# KiCad board panel_32x32_1515_r0.1.kicad_pcb (continued)
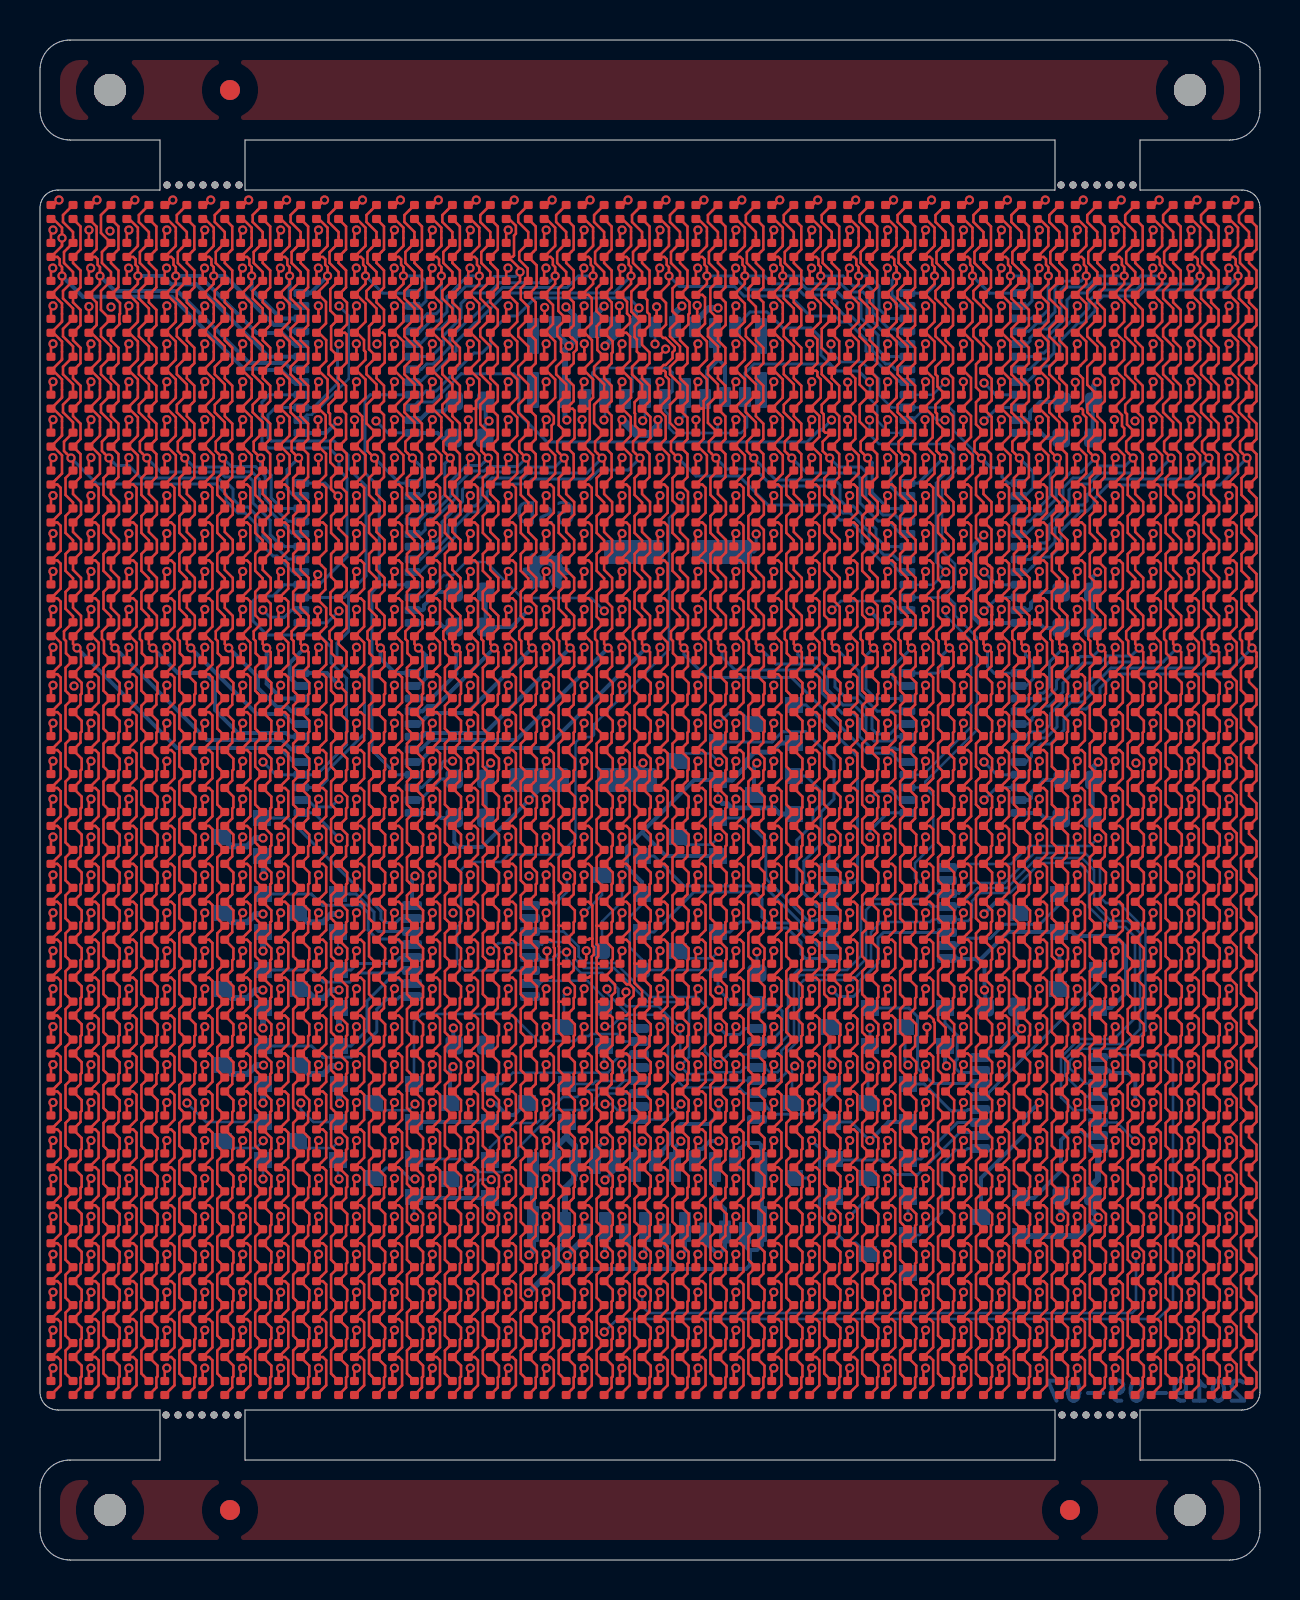
[diagram p0: board, top side]
## Routing (per net, layer and track width the routed paths; a pad name or vN(x,y) marks a point on that pad's centre or on a via; arc(x,y) is an arc through that point) (continued)
  Bottom w0.2: U5.20 18.95,39.9 19.65,40.6 25.3,40.6 v1(30.3,45.6)
COL_GA16: length 83.3
  Top w0.127: D17.3 32.37,66.68 32.37,65.53 D49.3 32,64.85 32.37,64.48 32.37,63.63 D81.3 32.11,63.26 32.48,62.89 32.48,62.33 32.42,62.28 32.42,61.78 D113.3 32,60.99 32.37,60.61 32.37,59.84 D145.3 32,59.09 32.37,58.71 32.37,57.94 D177.3 32,57.5 32.37,57.12 32.37,56.04 D209.3 32.37,55.3 32.37,54.15 D241.3 32.03,53.77 32.4,53.4 32.4,52.28 D273.3 32,51.4 32.4,51 32.4,50.38 D305.3 32,49.51 32.4,49.11 32.4,48.48 D337.3 32,47.61 32.4,47.21 32.4,46.59 D369.3 32,45.8 v1(32.2,45.6) 32.4,45.4 32.4,44.69 D401.3 32.43,43.86 32.43,43.32 32.37,43.26 32.37,42.77 D433.3 32.43,41.96 32.43,41.42 32.37,41.37 32.37,40.87 D465.3 32.43,40.07 32.43,39.53 32.37,39.47 32.37,38.97 D497.3 32.43,38.17 32.43,37.63 32.37,37.57 32.37,37.08 D529.3 32.43,36.27 32.43,35.73 32.37,35.68 32.37,35.18 D561.3 32.43,34.37 32.43,33.84 32.37,33.78 32.37,33.28 D593.3 32.43,32.48 32.43,31.94 32.37,31.88 32.37,31.39 D625.3 32.43,30.58 32.43,30.04 32.37,29.99 32.37,29.49 D657.3 32.43,28.68 32.43,28.15 32.37,28.09 32.37,27.59 D689.3 32.43,26.79 32.43,26.25 32.37,26.19 32.37,25.7 D721.3 32.43,24.89 32.43,24.35 32.37,24.3 32.37,23.8 D753.3 32.43,22.99 32.43,22.46 32.37,22.4 32.37,21.9 D785.3 32.43,21.1 32.43,20.56 32.37,20.5 32.37,20.01 D817.3 32.43,19.2 32.43,18.66 32.37,18.61 32.37,18.11 D849.3 32.43,17.3 32.43,16.77 32.37,16.71 32.37,16.21 D881.3 32.43,15.41 32.43,14.87 32.37,14.81 32.37,14.32 D913.3 32.43,13.51 32.43,12.97 32.37,12.92 32.37,12.42 D945.3 32.43,11.61 32.43,11.08 32.37,11.02 32.37,10.52 D977.3 32.43,9.72 32.43,9.18 32.37,9.12 32.37,8.63 D1009.3
  Bottom w0.15: U6.5 43.32,39.95 42.95,39.95 42.56,40.34 41.36,40.34 37.57,44.13 33.34,44.13 32.2,45.27 v1(32.2,45.6)
COL_GA17: length 81.9
  Top w0.127: D18.3 34.27,66.68 34.27,65.53 D50.3 33.9,64.85 34.27,64.48 34.27,63.63 D82.3 34.28,62.87 34.28,61.75 D114.3 33.9,60.99 34.27,60.61 34.27,59.84 D146.3 33.9,59.09 34.27,58.71 34.27,57.94 D178.3 33.9,57.55 34.27,57.18 34.27,56.04 D210.3 34.27,55.3 34.27,54.15 D242.3 33.9,53.3 34.3,52.9 34.3,52.28 D274.3 33.9,51.4 34.3,51 34.3,50.38 D306.3 33.9,49.51 34.3,49.11 34.3,48.48 D338.3 33.9,47.61 34.3,47.21 34.3,46.59 D370.3 33.9,45.8 v1(34.1,45.6) 34.3,45.4 34.3,44.69 D402.3 34.33,43.86 34.33,43.32 34.27,43.26 34.27,42.77 D434.3 34.33,41.96 34.33,41.42 34.27,41.37 34.27,40.87 D466.3 34.33,40.07 34.33,39.53 34.27,39.47 34.27,38.97 D498.3 34.33,38.17 34.33,37.63 34.27,37.57 34.27,37.08 D530.3 34.33,36.27 34.33,35.73 34.27,35.68 34.27,35.18 D562.3 34.33,34.37 34.33,33.84 34.27,33.78 34.27,33.28 D594.3 34.33,32.48 34.33,31.94 34.27,31.88 34.27,31.39 D626.3 34.33,30.58 34.33,30.04 34.27,29.99 34.27,29.49 D658.3 34.33,28.68 34.33,28.15 34.27,28.09 34.27,27.59 D690.3 34.33,26.79 34.33,26.25 34.27,26.19 34.27,25.7 D722.3 34.33,24.89 34.33,24.35 34.27,24.3 34.27,23.8 D754.3 34.33,22.99 34.33,22.46 34.27,22.4 34.27,21.9 D786.3 34.33,21.1 34.33,20.56 34.27,20.5 34.27,20.01 D818.3 34.33,19.2 34.33,18.66 34.27,18.61 34.27,18.11 D850.3 34.33,17.3 34.33,16.77 34.27,16.71 34.27,16.21 D882.3 34.33,15.41 34.33,14.87 34.27,14.81 34.27,14.32 D914.3 34.33,13.51 34.33,12.97 34.27,12.92 34.27,12.42 D946.3 34.33,11.61 34.33,11.08 34.27,11.02 34.27,10.52 D978.3 34.33,9.72 34.33,9.18 34.27,9.12 34.27,8.63 D1010.3
  Bottom w0.15: U6.6 42.82,40.53 42.75,40.6 41.55,40.6 40.97,41.17 40.97,42.03 40.65,42.35 40.1,42.35 39.1,43.35 39.1,43.95 38.55,44.5 34.75,44.5 34.1,45.15 v1(34.1,45.6)
COL_GA18: length 79.6
  Top w0.127: D19.3 36.17,66.68 36.17,65.53 D51.3 35.79,64.85 36.17,64.48 36.17,63.63 D83.3 36.17,62.88 36.17,61.73 D115.3 35.79,60.99 36.17,60.61 36.17,59.84 D147.3 35.79,59.09 36.17,58.71 36.17,57.94 D179.3 35.79,57.19 36.17,56.82 36.17,56.04 D211.3 36.17,55.3 36.17,54.15 D243.3 35.79,53.3 36.19,52.9 36.19,52.28 D275.3 35.82,51.88 36.19,51.51 36.19,50.38 D307.3 35.79,49.51 36.19,49.11 36.19,48.48 D339.3 35.79,47.61 36.19,47.21 36.19,46.59 D371.3 35.79,45.8 v1(35.99,45.6) 36.19,45.4 36.19,44.69 D403.3 36.22,43.86 36.22,43.32 36.17,43.26 36.17,42.77 D435.3 36.22,41.96 36.22,41.42 36.17,41.37 36.17,40.87 D467.3 36.22,40.07 36.22,39.53 36.17,39.47 36.17,38.97 D499.3 36.22,38.17 36.22,37.63 36.17,37.57 36.17,37.08 D531.3 36.22,36.27 36.22,35.73 36.17,35.68 36.17,35.18 D563.3 36.22,34.37 36.22,33.84 36.17,33.78 36.17,33.28 D595.3 36.22,32.48 36.22,31.94 36.17,31.88 36.17,31.39 D627.3 36.22,30.58 36.22,30.04 36.17,29.99 36.17,29.49 D659.3 36.22,28.68 36.22,28.15 36.17,28.09 36.17,27.59 D691.3 36.22,26.79 36.22,26.25 36.17,26.19 36.17,25.7 D723.3 36.22,24.89 36.22,24.35 36.17,24.3 36.17,23.8 D755.3 36.22,22.99 36.22,22.46 36.17,22.4 36.17,21.9 D787.3 36.22,21.1 36.22,20.56 36.17,20.5 36.17,20.01 D819.3 36.22,19.2 36.22,18.66 36.17,18.61 36.17,18.11 D851.3 36.22,17.3 36.22,16.77 36.17,16.71 36.17,16.21 D883.3 36.22,15.41 36.22,14.87 36.17,14.81 36.17,14.32 D915.3 36.22,13.51 36.22,12.97 36.17,12.92 36.17,12.42 D947.3 36.22,11.61 36.22,11.08 36.17,11.02 36.17,10.52 D979.3 36.22,9.72 36.22,9.18 36.17,9.12 36.17,8.63 D1011.3
  Bottom w0.15: U6.7 42.87,41.17 42.65,40.95 41.7,40.95 41.3,41.35 41.3,42.15 40.7,42.75 40.15,42.75 39.38,43.53 39.38,44.08 38.65,44.8 36.79,44.8 v1(35.99,45.6)
COL_GA19: length 77.8
  Top w0.127: D20.3 38.06,66.68 38.06,65.53 D52.3 37.69,64.85 38.06,64.48 38.06,63.63 D84.3 37.69,62.88 38.06,62.51 38.06,61.73 D116.3 37.69,60.99 38.06,60.61 38.06,59.84 D148.3 37.69,59.09 38.06,58.71 38.06,57.94 D180.3 37.69,57.19 38.06,56.82 38.06,56.04 D212.3 38.06,55.3 38.06,54.15 D244.3 37.69,53.3 38.09,52.9 38.09,52.28 D276.3 37.69,51.4 38.09,51 38.09,50.38 D308.3 37.69,49.51 38.09,49.11 38.09,48.48 D340.3 37.69,47.61 38.09,47.21 38.09,46.59 D372.3 37.69,45.8 v1(37.89,45.6) 38.09,45.4 38.09,44.69 D404.3 38.12,43.86 38.12,43.32 38.06,43.26 38.06,42.77 D436.3 38.12,41.96 38.12,41.42 38.06,41.37 38.06,40.87 D468.3 38.12,40.07 38.12,39.53 38.06,39.47 38.06,38.97 D500.3 38.12,38.17 38.12,37.63 38.06,37.57 38.06,37.08 D532.3 38.12,36.27 38.12,35.73 38.06,35.68 38.06,35.18 D564.3 38.12,34.37 38.12,33.84 38.06,33.78 38.06,33.28 D596.3 38.12,32.48 38.12,31.94 38.06,31.88 38.06,31.39 D628.3 38.12,30.58 38.12,30.04 38.06,29.99 38.06,29.49 D660.3 38.12,28.68 38.12,28.15 38.06,28.09 38.06,27.59 D692.3 38.12,26.79 38.12,26.25 38.06,26.19 38.06,25.7 D724.3 38.12,24.89 38.12,24.35 38.06,24.3 38.06,23.8 D756.3 38.12,22.99 38.12,22.46 38.06,22.4 38.06,21.9 D788.3 38.12,21.1 38.12,20.56 38.06,20.5 38.06,20.01 D820.3 38.12,19.2 38.12,18.66 38.06,18.61 38.06,18.11 D852.3 38.12,17.3 38.12,16.77 38.06,16.71 38.06,16.21 D884.3 38.12,15.41 38.12,14.87 38.06,14.81 38.06,14.32 D916.3 38.12,13.51 38.12,12.97 38.06,12.92 38.06,12.42 D948.3 38.12,11.61 38.12,11.08 38.06,11.02 38.06,10.52 D980.3 38.12,9.72 38.12,9.18 38.06,9.12 38.06,8.63 D1012.3
  Bottom w0.15: U6.8 43.32,41.75 42.95,41.75 42.5,41.3 41.85,41.3 41.6,41.55 41.6,42.3 40.8,43.1 40.3,43.1 39.75,43.65 39.75,44.2 38.85,45.1 38.06,45.1 37.89,45.27 v1(37.89,45.6)
COL_GA20: length 74.9
  Top w0.127: D1013.3 39.96,8.63 39.96,9.12 40.02,9.18 40.02,9.72 D981.3 39.96,10.52 39.96,11.02 40.02,11.08 40.02,11.61 D949.3 39.96,12.42 39.96,12.92 40.02,12.97 40.02,13.51 D917.3 39.96,14.32 39.96,14.81 40.02,14.87 40.02,15.41 D885.3 39.96,16.21 39.96,16.71 40.02,16.77 40.02,17.3 D853.3 39.96,18.11 39.96,18.61 40.02,18.66 40.02,19.2 D821.3 39.96,20.01 39.96,20.5 40.02,20.56 40.02,21.1 D789.3 39.96,21.9 39.96,22.4 40.02,22.46 40.02,22.99 D757.3 39.96,23.8 39.96,24.3 40.02,24.35 40.02,24.89 D725.3 39.96,25.7 39.96,26.19 40.02,26.25 40.02,26.79 D693.3 39.96,27.59 39.96,28.09 40.02,28.15 40.02,28.68 D661.3 39.96,29.49 39.96,29.99 40.02,30.04 40.02,30.58 D629.3 39.96,31.39 39.96,31.88 40.02,31.94 40.02,32.48 D597.3 39.96,33.28 39.96,33.78 40.02,33.84 40.02,34.37 D565.3 39.96,35.18 39.96,35.68 40.02,35.73 40.02,36.27 D533.3 39.96,37.08 39.96,37.57 40.02,37.63 40.02,38.17 D501.3 39.96,38.97 39.96,39.47 40.02,39.53 40.02,40.07 D469.3 39.96,40.87 39.96,41.37 40.02,41.42 40.02,41.96 D437.3 39.96,42.77 39.96,43.26 40.02,43.32 40.02,43.86 D405.3 39.99,44.69 39.99,45.4 v1(39.79,45.6) 39.59,45.8 D373.3 39.99,46.59 39.99,47.66 39.59,48.06 D341.3 39.99,48.48 39.99,49.11 39.59,49.51 D309.3 39.99,50.38 39.99,51 39.59,51.4 D277.3 39.99,52.28 39.99,52.9 39.59,53.3 D245.3 39.96,54.15 39.96,55.3 D213.3 39.96,56.04 39.96,57.19 D181.3 39.96,57.94 39.96,58.71 39.59,59.09 D149.3 39.96,59.84 39.96,60.94 39.59,61.31 D117.3 39.96,61.73 39.96,62.51 39.59,62.88 D85.3 39.96,63.63 39.96,64.48 39.59,64.85 D53.3 39.96,65.53 39.96,66.68 D21.3
  Bottom w0.15: v1(39.79,45.6) 40.95,44.44 40.95,43.35 41.86,42.44 U6.9
COL_GA21: length 73.9
  Top w0.127: D1014.3 41.86,8.63 41.86,9.12 41.91,9.18 41.91,9.72 D982.3 41.86,10.52 41.86,11.02 41.91,11.08 41.91,11.61 D950.3 41.86,12.42 41.86,12.92 41.91,12.97 41.91,13.51 D918.3 41.86,14.32 41.86,14.81 41.91,14.87 41.91,15.41 D886.3 41.86,16.21 41.86,16.71 41.91,16.77 41.91,17.3 D854.3 41.86,18.11 41.86,18.61 41.91,18.66 41.91,19.2 D822.3 41.86,20.01 41.86,20.5 41.91,20.56 41.91,21.1 D790.3 41.86,21.9 41.86,22.4 41.91,22.46 41.91,22.99 D758.3 41.86,23.8 41.86,24.3 41.91,24.35 41.91,24.89 D726.3 41.86,25.7 41.86,26.19 41.91,26.25 41.91,26.79 D694.3 41.86,27.59 41.86,28.09 41.91,28.15 41.91,28.68 D662.3 41.86,29.49 41.86,29.99 41.91,30.04 41.91,30.58 D630.3 41.86,31.39 41.86,31.88 41.91,31.94 41.91,32.48 D598.3 41.86,33.28 41.86,33.78 41.91,33.84 41.91,34.37 D566.3 41.86,35.18 41.86,35.68 41.91,35.73 41.91,36.27 D534.3 41.86,37.08 41.86,37.57 41.91,37.63 41.91,38.17 D502.3 41.86,38.97 41.86,39.47 41.91,39.53 41.91,40.07 D470.3 41.86,40.87 41.86,41.37 41.91,41.42 41.91,41.96 D438.3 41.86,42.77 41.86,43.26 41.91,43.32 41.91,43.86 D406.3 41.88,44.69 41.88,45.4 v1(41.68,45.6) 41.48,45.8 D374.3 41.88,46.59 41.88,47.72 41.52,48.08 D342.3 41.88,48.48 41.88,49.11 41.48,49.51 D310.3 41.88,50.38 41.88,51 41.48,51.4 D278.3 41.88,52.28 41.88,52.9 41.48,53.3 D246.3 41.86,54.15 41.86,55.3 D214.3 41.86,56.04 41.86,57.24 41.53,57.57 D182.3 41.86,57.94 41.86,59.09 41.49,59.46 D150.3 41.86,59.84 41.86,60.61 41.48,60.99 D118.3 41.86,61.73 41.86,62.51 41.48,62.88 D86.3 41.86,63.63 41.86,64.48 41.48,64.85 D54.3 41.86,65.53 41.86,66.68 D22.3
  Bottom w0.15: U6.10 41.78,43.07 41.3,43.55 41.3,45.22 v1(41.68,45.6)
COL_GA22: length 72.2
  Top w0.127: D23.3 43.75,66.68 43.75,65.53 D55.3 43.38,64.85 43.75,64.48 43.75,63.63 D87.3 43.38,62.88 43.75,62.51 43.75,61.73 D119.3 43.38,60.99 43.75,60.61 43.75,59.84 D151.3 43.38,59.09 43.75,58.71 43.75,57.94 D183.3 43.38,57.19 43.75,56.82 43.75,56.04 D215.3 43.75,55.3 43.75,54.15 D247.3 43.38,53.3 43.78,52.9 43.78,52.28 D279.3 43.38,51.4 43.78,51 43.78,50.38 D311.3 43.38,49.51 43.78,49.11 43.78,48.48 D343.3 43.38,47.61 43.78,47.21 43.78,46.59 D375.3 43.38,45.8 v1(43.58,45.6) 43.78,45.4 43.78,44.69 D407.3 43.81,43.86 43.81,43.32 43.75,43.26 43.75,42.77 D439.3 43.81,41.96 43.81,41.42 43.75,41.37 43.75,40.87 D471.3 43.81,40.07 43.81,39.53 43.75,39.47 43.75,38.97 D503.3 43.81,38.17 43.81,37.63 43.75,37.57 43.75,37.08 D535.3 43.81,36.27 43.81,35.73 43.75,35.68 43.75,35.18 D567.3 43.81,34.37 43.81,33.84 43.75,33.78 43.75,33.28 D599.3 43.81,32.48 43.81,31.94 43.75,31.88 43.75,31.39 D631.3 43.81,30.58 43.81,30.04 43.75,29.99 43.75,29.49 D663.3 43.81,28.68 43.81,28.15 43.75,28.09 43.75,27.59 D695.3 43.81,26.79 43.81,26.25 43.75,26.19 43.75,25.7 D727.3 43.81,24.89 43.81,24.35 43.75,24.3 43.75,23.8 D759.3 43.81,22.99 43.81,22.46 43.75,22.4 43.75,21.9 D791.3 43.81,21.1 43.81,20.56 43.75,20.5 43.75,20.01 D823.3 43.81,19.2 43.81,18.66 43.75,18.61 43.75,18.11 D855.3 43.81,17.3 43.81,16.77 43.75,16.71 43.75,16.21 D887.3 43.81,15.41 43.81,14.87 43.75,14.81 43.75,14.32 D919.3 43.81,13.51 43.81,12.97 43.75,12.92 43.75,12.42 D951.3 43.81,11.61 43.81,11.08 43.75,11.02 43.75,10.52 D983.3 43.81,9.72 43.81,9.18 43.75,9.12 43.75,8.63 D1015.3
  Bottom w0.15: U6.11 43.33,43.75 43,43.75 42.65,44.1 42.65,44.67 v1(43.58,45.6)
COL_GA23: length 72.4
  Top w0.127: D1016.3 45.65,8.63 45.65,9.12 45.71,9.18 45.71,9.72 D984.3 45.65,10.52 45.65,11.02 45.71,11.08 45.71,11.61 D952.3 45.65,12.42 45.65,12.92 45.71,12.97 45.71,13.51 D920.3 45.65,14.32 45.65,14.81 45.71,14.87 45.71,15.41 D888.3 45.65,16.21 45.65,16.71 45.71,16.77 45.71,17.3 D856.3 45.65,18.11 45.65,18.61 45.71,18.66 45.71,19.2 D824.3 45.65,20.01 45.65,20.5 45.71,20.56 45.71,21.1 D792.3 45.65,21.9 45.65,22.4 45.71,22.46 45.71,22.99 D760.3 45.65,23.8 45.65,24.3 45.71,24.35 45.71,24.89 D728.3 45.65,25.7 45.65,26.19 45.71,26.25 45.71,26.79 D696.3 45.65,27.59 45.65,28.09 45.71,28.15 45.71,28.68 D664.3 45.65,29.49 45.65,29.99 45.71,30.04 45.71,30.58 D632.3 45.65,31.39 45.65,31.88 45.71,31.94 45.71,32.48 D600.3 45.65,33.28 45.65,33.78 45.71,33.84 45.71,34.37 D568.3 45.65,35.18 45.65,35.68 45.71,35.73 45.71,36.27 D536.3 45.65,37.08 45.65,37.57 45.71,37.63 45.71,38.17 D504.3 45.65,38.97 45.65,39.47 45.71,39.53 45.71,40.07 D472.3 45.65,40.87 45.65,41.37 45.71,41.42 45.71,41.96 D440.3 45.65,42.77 45.65,43.26 45.71,43.32 45.71,43.86 D408.3 45.68,44.69 45.68,45.4 v1(45.48,45.6) 45.28,45.8 D376.3 45.68,46.59 45.68,47.67 45.28,48.07 D344.3 45.68,48.48 45.68,49.57 45.28,49.97 D312.3 45.68,50.38 45.68,51 45.28,51.4 D280.3 45.68,52.28 45.68,52.9 45.28,53.3 D248.3 45.65,54.15 45.65,55.3 D216.3 45.65,56.04 45.65,57.2 45.28,57.57 D184.3 45.65,57.94 45.65,59.1 45.29,59.46 D152.3 45.65,59.84 45.65,60.61 45.28,60.99 D120.3 45.65,61.73 45.65,62.51 45.28,62.88 D88.3 45.65,63.63 45.65,64.48 45.28,64.85 D56.3 45.65,65.53 45.65,66.68 D24.3
  Bottom w0.15: U6.12 44.89,44.34 45.11,44.56 45.11,45.24 v1(45.48,45.6)
COL_GA24: length 72.2
  Top w0.127: D25.3 47.55,66.68 47.55,65.53 D57.3 47.17,64.85 47.55,64.48 47.55,63.63 D89.3 47.17,62.88 47.55,62.51 47.55,61.73 D121.3 47.17,60.99 47.55,60.61 47.55,59.84 D153.3 47.58,59.06 47.58,57.98 D185.3 47.58,57.16 47.58,56.08 D217.3 47.55,55.3 47.55,54.15 D249.3 47.17,53.3 47.57,52.9 47.57,52.28 D281.3 47.22,51.88 47.57,51.53 47.57,50.38 D313.3 ; D377.3 47.17,45.8 v1(47.37,45.6) 47.57,45.4 47.57,44.69 D409.3 47.6,43.86 47.6,43.32 47.55,43.26 47.55,42.77 D441.3 47.6,41.96 47.6,41.42 47.55,41.37 47.55,40.87 D473.3 47.6,40.07 47.6,39.53 47.55,39.47 47.55,38.97 D505.3 47.6,38.17 47.6,37.63 47.55,37.57 47.55,37.08 D537.3 47.6,36.27 47.6,35.73 47.55,35.68 47.55,35.18 D569.3 47.6,34.37 47.6,33.84 47.55,33.78 47.55,33.28 D601.3 47.6,32.48 47.6,31.94 47.55,31.88 47.55,31.39 D633.3 47.6,30.58 47.6,30.04 47.55,29.99 47.55,29.49 D665.3 47.6,28.68 47.6,28.15 47.55,28.09 47.55,27.59 D697.3 47.6,26.79 47.6,26.25 47.55,26.19 47.55,25.7 D729.3 47.6,24.89 47.6,24.35 47.55,24.3 47.55,23.8 D761.3 47.6,22.99 47.6,22.46 47.55,22.4 47.55,21.9 D793.3 47.6,21.1 47.6,20.56 47.55,20.5 47.55,20.01 D825.3 47.6,19.2 47.6,18.66 47.55,18.61 47.55,18.11 D857.3 47.6,17.3 47.6,16.77 47.55,16.71 47.55,16.21 D889.3 47.6,15.41 47.6,14.87 47.55,14.81 47.55,14.32 D921.3 47.6,13.51 47.6,12.97 47.55,12.92 47.55,12.42 D953.3 47.6,11.61 47.6,11.08 47.55,11.02 47.55,10.52 D985.3 47.6,9.72 47.6,9.18 47.55,9.12 47.55,8.63 D1017.3
  Top w0.15: D377.3 47.58,46.6 47.58,47.25 47.59,47.26 47.59,47.66 D345.3 47.56,48.47 47.56,48.96 47.59,48.99 47.59,49.59 47.46,49.72 47.43,49.72 D313.3
  Bottom w0.15: U6.13 47.71,44.34 47.37,44.68 v1(47.37,45.6)
COL_GA25: length 72
  Top w0.127: D26.3 49.44,66.68 49.44,65.53 D58.3 49.07,64.85 49.44,64.48 49.44,63.63 D90.3 49.07,62.88 49.44,62.51 49.44,61.73 D122.3 49.07,60.99 49.44,60.61 49.44,59.84 D154.3 49.07,59.09 49.44,58.71 49.44,57.94 D186.3 49.07,57.19 49.44,56.82 49.44,56.04 D218.3 49.44,55.3 49.44,54.15 D250.3 49.07,53.3 49.47,52.9 49.47,52.28 D282.3 49.07,51.4 49.47,51 49.47,50.38 D314.3 49.07,49.51 49.47,49.11 49.47,48.48 D346.3 49.07,47.61 49.47,47.21 49.47,46.59 D378.3 49.07,45.8 v1(49.27,45.6) 49.47,45.4 49.47,44.69 D410.3 49.5,43.86 49.5,43.32 49.44,43.26 49.44,42.77 D442.3 49.5,41.96 49.5,41.42 49.44,41.37 49.44,40.87 D474.3 49.5,40.07 49.5,39.53 49.44,39.47 49.44,38.97 D506.3 49.5,38.17 49.5,37.63 49.44,37.57 49.44,37.08 D538.3 49.5,36.27 49.5,35.73 49.44,35.68 49.44,35.18 D570.3 49.5,34.37 49.5,33.84 49.44,33.78 49.44,33.28 D602.3 49.5,32.48 49.5,31.94 49.44,31.88 49.44,31.39 D634.3 49.5,30.58 49.5,30.04 49.44,29.99 49.44,29.49 D666.3 49.5,28.68 49.5,28.15 49.44,28.09 49.44,27.59 D698.3 49.5,26.79 49.5,26.25 49.44,26.19 49.44,25.7 D730.3 49.5,24.89 49.5,24.35 49.44,24.3 49.44,23.8 D762.3 49.5,22.99 49.5,22.46 49.44,22.4 49.44,21.9 D794.3 49.5,21.1 49.5,20.56 49.44,20.5 49.44,20.01 D826.3 49.5,19.2 49.5,18.66 49.44,18.61 49.44,18.11 D858.3 49.5,17.3 49.5,16.77 49.44,16.71 49.44,16.21 D890.3 49.5,15.41 49.5,14.87 49.44,14.81 49.44,14.32 D922.3 49.5,13.51 49.5,12.97 49.44,12.92 49.44,12.42 D954.3 49.5,11.61 49.5,11.08 49.44,11.02 49.44,10.52 D986.3 49.5,9.72 49.5,9.18 49.44,9.12 49.44,8.63 D1018.3
  Bottom w0.15: U6.14 49.31,43.71 49.65,44.05 49.65,44.89 49.27,45.27 v1(49.27,45.6)
COL_GA26: length 73.4
  Top w0.127: D27.3 51.34,66.68 51.34,65.53 D59.3 50.97,64.85 51.34,64.48 51.34,63.63 D91.3 50.97,62.88 51.34,62.51 51.34,61.73 D123.3 50.97,60.99 51.34,60.61 51.34,59.84 D155.3 50.97,59.09 51.34,58.71 51.34,57.94 D187.3 50.97,57.19 51.34,56.82 51.34,56.04 D219.3 51.34,55.3 51.34,54.15 D251.3 50.97,53.3 51.37,52.9 51.37,52.28 D283.3 50.97,51.4 51.37,51 51.37,50.38 D315.3 50.97,49.51 51.37,49.11 51.37,48.48 D347.3 50.97,47.61 51.37,47.21 51.37,46.59 D379.3 50.97,45.8 v1(51.17,45.6) 51.37,45.4 51.37,44.69 D411.3 51.4,43.86 51.4,43.32 51.34,43.26 51.34,42.77 D443.3 51.4,41.96 51.4,41.42 51.34,41.37 51.34,40.87 D475.3 51.4,40.07 51.4,39.53 51.34,39.47 51.34,38.97 D507.3 51.4,38.17 51.4,37.63 51.34,37.57 51.34,37.08 D539.3 51.4,36.27 51.4,35.73 51.34,35.68 51.34,35.18 D571.3 51.4,34.37 51.4,33.84 51.34,33.78 51.34,33.28 D603.3 51.4,32.48 51.4,31.94 51.34,31.88 51.34,31.39 D635.3 51.4,30.58 51.4,30.04 51.34,29.99 51.34,29.49 D667.3 51.4,28.68 51.4,28.15 51.34,28.09 51.34,27.59 D699.3 51.4,26.79 51.4,26.25 51.34,26.19 51.34,25.7 D731.3 51.4,24.89 51.4,24.35 51.34,24.3 51.34,23.8 D763.3 51.4,22.99 51.4,22.46 51.34,22.4 51.34,21.9 D795.3 51.4,21.1 51.4,20.56 51.34,20.5 51.34,20.01 D827.3 51.4,19.2 51.4,18.66 51.34,18.61 51.34,18.11 D859.3 51.4,17.3 51.4,16.77 51.34,16.71 51.34,16.21 D891.3 51.4,15.41 51.4,14.87 51.34,14.81 51.34,14.32 D923.3 51.4,13.51 51.4,12.97 51.34,12.92 51.34,12.42 D955.3 51.4,11.61 51.4,11.08 51.34,11.02 51.34,10.52 D987.3 51.4,9.72 51.4,9.18 51.34,9.12 51.34,8.63 D1019.3
  Bottom w0.15: v1(51.17,45.6) 50.48,44.91 50.48,43.67 50.15,43.34 49.89,43.34 49.62,43.07 U6.15
COL_GA27: length 75.1
  Top w0.127: D1020.3 53.24,8.63 53.24,9.12 53.3,9.18 53.3,9.72 D988.3 53.24,10.52 53.24,11.02 53.3,11.08 53.3,11.61 D956.3 53.24,12.42 53.24,12.92 53.3,12.97 53.3,13.51 D924.3 53.24,14.32 53.24,14.81 53.3,14.87 53.3,15.41 D892.3 53.24,16.21 53.24,16.71 53.3,16.77 53.3,17.3 D860.3 53.24,18.11 53.24,18.61 53.3,18.66 53.3,19.2 D828.3 53.24,20.01 53.24,20.5 53.3,20.56 53.3,21.1 D796.3 53.24,21.9 53.24,22.4 53.3,22.46 53.3,22.99 D764.3 53.24,23.8 53.24,24.3 53.3,24.35 53.3,24.89 D732.3 53.24,25.7 53.24,26.19 53.3,26.25 53.3,26.79 D700.3 53.24,27.59 53.24,28.09 53.3,28.15 53.3,28.68 D668.3 53.24,29.49 53.24,29.99 53.3,30.04 53.3,30.58 D636.3 53.24,31.39 53.24,31.88 53.3,31.94 53.3,32.48 D604.3 53.24,33.28 53.24,33.78 53.3,33.84 53.3,34.37 D572.3 53.24,35.18 53.24,35.68 53.3,35.73 53.3,36.27 D540.3 53.24,37.08 53.24,37.57 53.3,37.63 53.3,38.17 D508.3 53.24,38.97 53.24,39.47 53.3,39.53 53.3,40.07 D476.3 53.24,40.87 53.24,41.37 53.3,41.42 53.3,41.96 D444.3 53.24,42.77 53.24,43.26 53.3,43.32 53.3,43.86 D412.3 53.26,44.69 53.26,45.4 v1(53.06,45.6) 52.86,45.8 D380.3 53.26,46.59 53.26,47.21 52.86,47.61 D348.3 53.26,48.48 53.26,49.58 D316.3 53.26,50.38 53.26,51 52.86,51.4 D284.3 53.26,52.28 53.26,52.9 52.86,53.3 D252.3 53.24,54.15 53.24,55.3 D220.3 53.24,56.04 53.24,56.82 52.86,57.19 D188.3 53.24,57.94 53.24,59.11 52.89,59.46 D156.3 53.24,59.84 53.24,60.61 52.86,60.99 D124.3 53.24,61.73 53.24,62.51 52.86,62.88 D92.3 53.24,63.63 53.24,64.48 52.86,64.85 D60.3 53.24,65.53 53.24,66.68 D28.3
  Bottom w0.15: v1(53.06,45.6) 52.63,45.17 52.02,45.17 50.82,43.97 50.82,43.58 50.3,43.05 50.05,43.05 49.44,42.44 U6.16
COL_GA28: length 77.3
  Top w0.127: D1021.3 55.13,8.63 55.13,9.12 55.19,9.18 55.19,9.72 D989.3 55.13,10.52 55.13,11.02 55.19,11.08 55.19,11.61 D957.3 55.13,12.42 55.13,12.92 55.19,12.97 55.19,13.51 D925.3 55.13,14.32 55.13,14.81 55.19,14.87 55.19,15.41 D893.3 55.13,16.21 55.13,16.71 55.19,16.77 55.19,17.3 D861.3 55.13,18.11 55.13,18.61 55.19,18.66 55.19,19.2 D829.3 55.13,20.01 55.13,20.5 55.19,20.56 55.19,21.1 D797.3 55.13,21.9 55.13,22.4 55.19,22.46 55.19,22.99 D765.3 55.13,23.8 55.13,24.3 55.19,24.35 55.19,24.89 D733.3 55.13,25.7 55.13,26.19 55.19,26.25 55.19,26.79 D701.3 55.13,27.59 55.13,28.09 55.19,28.15 55.19,28.68 D669.3 55.13,29.49 55.13,29.99 55.19,30.04 55.19,30.58 D637.3 55.13,31.39 55.13,31.88 55.19,31.94 55.19,32.48 D605.3 55.13,33.28 55.13,33.78 55.19,33.84 55.19,34.37 D573.3 55.13,35.18 55.13,35.68 55.19,35.73 55.19,36.27 D541.3 55.13,37.08 55.13,37.57 55.19,37.63 55.19,38.17 D509.3 55.13,38.97 55.13,39.47 55.19,39.53 55.19,40.07 D477.3 55.13,40.87 55.13,41.37 55.19,41.42 55.19,41.96 D445.3 55.13,42.77 55.13,43.26 55.19,43.32 55.19,43.86 D413.3 55.16,44.69 55.16,45.4 v1(54.96,45.6) 54.76,45.8 D381.3 55.16,46.59 55.16,47.21 54.76,47.61 D349.3 55.16,48.48 55.16,49.11 54.76,49.51 D317.3 55.16,50.38 55.16,51 54.76,51.4 D285.3 55.16,52.28 55.16,52.9 54.76,53.3 D253.3 55.13,54.15 55.13,55.3 D221.3 55.13,56.04 55.13,57.12 54.76,57.49 D189.3 55.13,57.94 55.13,58.71 54.76,59.09 D157.3 55.13,59.84 55.13,60.61 54.76,60.99 D125.3 55.13,61.73 55.13,62.51 54.76,62.88 D93.3 55.13,63.63 55.13,64.48 54.76,64.85 D61.3 55.13,65.53 55.13,66.68 D29.3
  Bottom w0.15: v1(54.96,45.6) 54.56,45.2 53.35,45.2 53,44.85 52.15,44.85 51.15,43.85 51.15,43.4 50.45,42.7 50.2,42.7 49.6,42.1 49.6,42 49.4,41.8 U6.17
COL_GA29: length 79.6
  Top w0.127: D30.3 57.03,66.68 57.03,65.53 D62.3 56.66,64.85 57.03,64.48 57.03,63.63 D94.3 56.66,62.88 57.03,62.51 57.03,61.73 D126.3 56.66,60.99 57.03,60.61 57.03,59.84 D158.3 56.66,59.09 57.03,58.71 57.03,57.94 D190.3 56.66,57.19 57.03,56.82 57.03,56.04 D222.3 57.03,55.3 57.03,54.15 D254.3 56.66,53.3 57.06,52.9 57.06,52.28 D286.3 56.66,51.4 57.06,51 57.06,50.38 D318.3 56.66,49.51 57.06,49.11 57.06,48.48 D350.3 56.66,47.61 57.06,47.21 57.06,46.59 D382.3 56.66,45.8 v1(56.86,45.6) 57.06,45.4 57.06,44.69 D414.3 57.09,43.86 57.09,43.32 57.03,43.26 57.03,42.77 D446.3 57.09,41.96 57.09,41.42 57.03,41.37 57.03,40.87 D478.3 57.09,40.07 57.09,39.53 57.03,39.47 57.03,38.97 D510.3 57.09,38.17 57.09,37.63 57.03,37.57 57.03,37.08 D542.3 57.09,36.27 57.09,35.73 57.03,35.68 57.03,35.18 D574.3 57.09,34.37 57.09,33.84 57.03,33.78 57.03,33.28 D606.3 57.09,32.48 57.09,31.94 57.03,31.88 57.03,31.39 D638.3 57.09,30.58 57.09,30.04 57.03,29.99 57.03,29.49 D670.3 57.09,28.68 57.09,28.15 57.03,28.09 57.03,27.59 D702.3 57.09,26.79 57.09,26.25 57.03,26.19 57.03,25.7 D734.3 57.09,24.89 57.09,24.35 57.03,24.3 57.03,23.8 D766.3 57.09,22.99 57.09,22.46 57.03,22.4 57.03,21.9 D798.3 57.09,21.1 57.09,20.56 57.03,20.5 57.03,20.01 D830.3 57.09,19.2 57.09,18.66 57.03,18.61 57.03,18.11 D862.3 57.09,17.3 57.09,16.77 57.03,16.71 57.03,16.21 D894.3 57.09,15.41 57.09,14.87 57.03,14.81 57.03,14.32 D926.3 57.09,13.51 57.09,12.97 57.03,12.92 57.03,12.42 D958.3 57.09,11.61 57.09,11.08 57.03,11.02 57.03,10.52 D990.3 57.09,9.72 57.09,9.18 57.03,9.12 57.03,8.63 D1022.3
  Bottom w0.15: v1(56.86,45.6) 56.16,44.9 53.45,44.9 52.35,43.8 52.35,43.55 52,43.2 51.4,43.2 50.53,42.33 50.53,41.78 50.15,41.4 49.5,41.4 49.27,41.17 U6.18
COL_GA30: length 81.8
  Top w0.127: D31.3 58.93,66.68 58.93,65.53 D63.3 58.55,64.85 58.93,64.48 58.93,63.63 D95.3 58.55,62.88 58.93,62.51 58.93,61.73 D127.3 58.55,60.99 58.93,60.61 58.93,59.84 D159.3 58.55,59.09 58.93,58.71 58.93,57.94 D191.3 58.55,57.19 58.93,56.82 58.93,56.04 D223.3 58.93,55.3 58.93,54.15 D255.3 58.55,53.3 58.95,52.9 58.95,52.28 D287.3 58.55,51.4 58.95,51 58.95,50.38 D319.3 58.55,49.51 58.95,49.11 58.95,48.48 D351.3 58.55,47.61 58.95,47.21 58.95,46.59 D383.3 58.55,45.8 v1(58.75,45.6) 58.95,45.4 58.95,44.69 D415.3 58.99,43.86 58.99,43.32 58.93,43.26 58.93,42.77 D447.3 58.99,41.96 58.99,41.42 58.93,41.37 58.93,40.87 D479.3 58.99,40.07 58.99,39.53 58.93,39.47 58.93,38.97 D511.3 58.99,38.17 58.99,37.63 58.93,37.57 58.93,37.08 D543.3 58.99,36.27 58.99,35.73 58.93,35.68 58.93,35.18 D575.3 58.99,34.37 58.99,33.84 58.93,33.78 58.93,33.28 D607.3 58.99,32.48 58.99,31.94 58.93,31.88 58.93,31.39 D639.3 58.99,30.58 58.99,30.04 58.93,29.99 58.93,29.49 D671.3 58.99,28.68 58.99,28.15 58.93,28.09 58.93,27.59 D703.3 58.99,26.79 58.99,26.25 58.93,26.19 58.93,25.7 D735.3 58.99,24.89 58.99,24.35 58.93,24.3 58.93,23.8 D767.3 58.99,22.99 58.99,22.46 58.93,22.4 58.93,21.9 D799.3 58.99,21.1 58.99,20.56 58.93,20.5 58.93,20.01 D831.3 58.99,19.2 58.99,18.66 58.93,18.61 58.93,18.11 D863.3 58.99,17.3 58.99,16.77 58.93,16.71 58.93,16.21 D895.3 58.99,15.41 58.99,14.87 58.93,14.81 58.93,14.32 D927.3 58.99,13.51 58.99,12.97 58.93,12.92 58.93,12.42 D959.3 58.99,11.61 58.99,11.08 58.93,11.02 58.93,10.52 D991.3 58.99,9.72 58.99,9.18 58.93,9.12 58.93,8.63 D1023.3
  Bottom w0.15: v1(58.75,45.6) 57.75,44.6 53.55,44.6 52.65,43.7 52.65,43.4 52.15,42.9 51.55,42.9 50.85,42.2 50.85,41.65 50.3,41.1 49.9,41.1 49.33,40.53 U6.19
